# Allegro board 038NC-GRIFFI-V9A_16_20260429.brd (continued)
## Nets (continued)
HDVI_975_13-CH39GS: SLOT13.A55 UNK1SH14.1
HDVI_975_13-CH39S: SLOT13.C55 UNK1K14.5
HDVI_976_13-CH40BP: SLOT13.D54
HDVI_976_13-CH40F: SITE1.F19(LSOUT2 / SUSPEND_F) SLOT13.G52 UNK1CS19.1 UNK1K8.6 UNK1SH38.2 UNK1TP_LSOUT2/SUSPEND_F.1
HDVI_976_13-CH40GS: SLOT13.A56 UNK1SH30.2
HDVI_976_13-CH40S: SITE1.S19(LSOUT2 / SUSPEND_S) SLOT13.F54 UNK1TP_LSOUT2/SUSPEND1_S.1
HDVI_977_13-CH41BP: SLOT13.B53
HDVI_977_13-CH41F: SLOT13.F51 SLOT13.F53 UNK3K10.2
HDVI_977_13-CH41GS: SLOT13.A52 SLOT13.A53 UNK3SH9.1
HDVI_977_13-CH41S: SLOT13.C53 SLOT13.E53 UNK3K10.7
HDVI_978_13-CH42BP: SLOT13.D53
HDVI_979_13-CH43BP: SLOT13.C51
HDVI_979_13-CH43F: SITE3.F25(VSYS_F) SLOT13.E51 SLOT13.F49 UNK3CS25.1 UNK3K2.3 UNK3TP_VSYS_F.1
HDVI_979_13-CH43GS: SLOT13.A51 SLOT13.C52 UNK3SH7.2
HDVI_979_13-CH43S: SITE3.S25(VSYS_S) SLOT13.D51 SLOT13.F50 UNK3TP_VSYS_S.1
HDVI_980_13-CH44BP: SLOT13.D50
HDVI_981_13-CH45BP: SLOT13.B50
HDVI_981_13-CH45F: SITE3.F5(LSOUT1 / ILIM1_F) SLOT13.E49 UNK3CS5.2 UNK3K8.3 UNK3SH36.2 UNK3TP_LSOUT1_F.1
HDVI_981_13-CH45GS: SLOT13.B51 UNK3SH32.1
HDVI_981_13-CH45S: SITE3.S5(LSOUT1 / ILIM1_S) SLOT13.D49 UNK3TP_LSOUT1_S.1
HDVI_982_13-CH46BP: SLOT13.B49
HDVI_982_13-CH46F: SLOT13.G48 UNK3K13.4 UNK3TP_NPG/ATB1_F.1
HDVI_982_13-CH46GS: SLOT13.A49 UNK3SH16.1
HDVI_982_13-CH46S: SLOT13.C49 UNK3K13.5 UNK3TP_NPG/ATB1_S.1
HDVI_983_13-CH47BP: SLOT13.D47
HDVI_983_13-CH47F: SLOT13.F47 UNK3K14.4 UNK3TP_NCHG/ATB0_F.1
HDVI_983_13-CH47GS: SLOT13.A48 UNK3SH14.1
HDVI_983_13-CH47S: SLOT13.E47 UNK3K14.5
HDVI_984_13-CH48BP: SLOT13.C45
HDVI_984_13-CH48F: SITE3.F19(LSOUT2 / SUSPEND_F) SLOT13.F45 UNK3CS19.1 UNK3K8.6 UNK3SH38.2 UNK3TP_LSOUT2/SUSPEND_F.1
HDVI_984_13-CH48GS: SLOT13.C48 UNK3SH30.2
HDVI_984_13-CH48S: SITE3.S19(LSOUT2 / SUSPEND_S) SLOT13.D46 UNK3TP_LSOUT2/SUSPEND1_S.1
HDVI_985_13-CH49BP: SLOT13.C47
HDVI_985_13-CH49F: SLOT13.F46 SLOT13.G44 UNK5K10.2
HDVI_985_13-CH49GS: SLOT13.B47 SLOT13.E48 UNK5SH9.1
HDVI_985_13-CH49S: SLOT13.B45 SLOT13.E45 UNK5K10.7
HDVI_986_13-CH50BP: SLOT13.B46
HDVI_987_13-CH51BP: SLOT13.D45
HDVI_987_13-CH51F: SITE5.F25(VSYS_F) SLOT13.F41 SLOT13.F43 UNK5CS25.1 UNK5K2.3 UNK5TP_VSYS_F.1
HDVI_987_13-CH51GS: SLOT13.A45 SLOT13.A47 UNK5SH7.2
HDVI_987_13-CH51S: SITE5.S25(VSYS_S) SLOT13.E43 SLOT13.F42 UNK5TP_VSYS_S.1
HDVI_988_13-CH52BP: SLOT13.D43
HDVI_989_13-CH53BP: SLOT13.D42
HDVI_989_13-CH53F: SITE5.F5(LSOUT1 / ILIM1_F) SLOT13.G40 UNK5CS5.2 UNK5K8.3 UNK5SH36.2 UNK5TP_LSOUT1_F.1
HDVI_989_13-CH53GS: SLOT13.A44 UNK5SH32.1
HDVI_989_13-CH53S: SITE5.S5(LSOUT1 / ILIM1_S) SLOT13.E41 UNK5TP_LSOUT1_S.1
HDVI_990_13-CH54BP: SLOT13.C41
HDVI_990_13-CH54F: SLOT13.F39 UNK5K13.4 UNK5TP_NPG/ATB1_F.1
HDVI_990_13-CH54GS: SLOT13.C44 UNK5SH16.1
HDVI_990_13-CH54S: SLOT13.D41 UNK5K13.5 UNK5TP_NPG/ATB1_S.1
HDVI_991_13-CH55BP: SLOT13.B41
HDVI_991_13-CH55F: SLOT13.F38 UNK5K14.4 UNK5TP_NCHG/ATB0_F.1
HDVI_991_13-CH55GS: SLOT13.E44 UNK5SH14.1
HDVI_991_13-CH55S: SLOT13.B39 UNK5K14.5
HDVI_992_13-CH56BP: SLOT13.C39
HDVI_992_13-CH56F: SITE5.F19(LSOUT2 / SUSPEND_F) SLOT13.E39 UNK5CS19.1 UNK5K8.6 UNK5SH38.2 UNK5TP_LSOUT2/SUSPEND_F.1
HDVI_992_13-CH56GS: SLOT13.C43 UNK5SH30.2
HDVI_992_13-CH56S: SITE5.S19(LSOUT2 / SUSPEND_S) SLOT13.D39 UNK5TP_LSOUT2/SUSPEND1_S.1
HDVI_993_13-CH57BP: SLOT13.A41
HDVI_993_13-CH57F: SLOT13.C40 SLOT13.E40 UNK7K10.2
HDVI_993_13-CH57GS: SLOT13.A43 SLOT13.B43 UNK7SH9.1
HDVI_993_13-CH57S: SLOT13.A39 SLOT13.A40 UNK7K10.7
HDVI_994_13-CH58BP: SLOT13.B42
HDVI_995_13-CH59BP: SLOT13.C36
HDVI_995_13-CH59F: SITE7.F25(VSYS_F) SLOT13.G32 SLOT13.G36 UNK7CS25.1 UNK7K2.3 UNK7TP_VSYS_F.1
HDVI_995_13-CH59GS: SLOT13.B38 SLOT13.D38 UNK7SH7.2
HDVI_995_13-CH59S: SITE7.S25(VSYS_S) SLOT13.E32 SLOT13.E36 UNK7TP_VSYS_S.1
HDVI_996_13-CH60BP: SLOT13.D34
HDVI_997_13-CH61BP: SLOT13.E24
HDVI_997_13-CH61F: SITE7.F5(LSOUT1 / ILIM1_F) SLOT13.E28 UNK7CS5.2 UNK7K8.3 UNK7SH36.2 UNK7TP_LSOUT1_F.1
HDVI_997_13-CH61GS: SLOT13.A36 UNK7SH32.1
HDVI_997_13-CH61S: SITE7.S5(LSOUT1 / ILIM1_S) SLOT13.F26 UNK7TP_LSOUT1_S.1
HDVI_998_13-CH62BP: SLOT13.F18
HDVI_998_13-CH62F: SLOT13.G20 UNK7K13.4 UNK7TP_NPG/ATB1_F.1
HDVI_998_13-CH62GS: SLOT13.B10 UNK7SH16.1
HDVI_998_13-CH62S: SLOT13.E16 UNK7K13.5 UNK7TP_NPG/ATB1_S.1
HDVI_999_13-CH63BP: SLOT13.E12
HDVI_999_13-CH63F: SLOT13.F14 UNK7K14.4 UNK7TP_NCHG/ATB0_F.1
HDVI_999_13-CH63GS: SLOT13.A8 UNK7SH14.1
HDVI_999_13-CH63S: SLOT13.D10 UNK7K14.5
HDVI_1000_13-CH64BP: SLOT13.E8
HDVI_1000_13-CH64F: SITE7.F19(LSOUT2 / SUSPEND_F) SLOT13.G8 UNK7CS19.1 UNK7K8.6 UNK7SH38.2 UNK7TP_LSOUT2/SUSPEND_F.1
HDVI_1000_13-CH64GS: SLOT13.C8 UNK7SH30.2
HDVI_1000_13-CH64S: SITE7.S19(LSOUT2 / SUSPEND_S) SLOT13.F6 UNK7TP_LSOUT2/SUSPEND1_S.1
HDVI_1001_13-CH65BP: SLOT13.B34
HDVI_1001_13-CH65F: SLOT13.F30 SLOT13.F34 UNK13K10.2
HDVI_1001_13-CH65GS: SLOT13.A32 SLOT13.B30 UNK13SH9.1
HDVI_1001_13-CH65S: SLOT13.C28 SLOT13.C32 UNK13K10.7
HDVI_1002_13-CH66BP: SLOT13.D30
HDVI_1003_13-CH67BP: SLOT13.B26
HDVI_1003_13-CH67F: SITE13.F25(VSYS_F) SLOT13.G24 SLOT13.G28 UNK13CS25.1 UNK13K2.3 UNK13TP_VSYS_F.1
HDVI_1003_13-CH67GS: SLOT13.A24 SLOT13.A28 UNK13SH7.2
HDVI_1003_13-CH67S: SITE13.S25(VSYS_S) SLOT13.B22 SLOT13.D26 UNK13TP_VSYS_S.1
HDVI_1004_13-CH68BP: SLOT13.C24
HDVI_1005_13-CH69BP: SLOT13.C20
HDVI_1005_13-CH69F: SITE13.F5(LSOUT1 / ILIM1_F) SLOT13.F22 UNK13CS5.2 UNK13K8.3 UNK13SH36.2 UNK13TP_LSOUT1_F.1
HDVI_1005_13-CH69GS: SLOT13.A20 UNK13SH32.1
HDVI_1005_13-CH69S: SITE13.S5(LSOUT1 / ILIM1_S) SLOT13.D22 UNK13TP_LSOUT1_S.1
HDVI_1006_13-CH70BP: SLOT13.D18
HDVI_1006_13-CH70F: SLOT13.G16 UNK13K13.4 UNK13TP_NPG/ATB1_F.1
HDVI_1006_13-CH70GS: SLOT13.B18 UNK13SH16.1
HDVI_1006_13-CH70S: SLOT13.E20 UNK13K13.5 UNK13TP_NPG/ATB1_S.1
HDVI_1007_13-CH71BP: SLOT13.C16
HDVI_1007_13-CH71F: SLOT13.G12 UNK13K14.4 UNK13TP_NCHG/ATB0_F.1
HDVI_1007_13-CH71GS: SLOT13.A16 UNK13SH14.1
HDVI_1007_13-CH71S: SLOT13.B14 UNK13K14.5
HDVI_1008_13-CH72BP: SLOT13.C12
HDVI_1008_13-CH72F: SITE13.F19(LSOUT2 / SUSPEND_F) SLOT13.F10 UNK13CS19.1 UNK13K8.6 UNK13SH38.2 UNK13TP_LSOUT2/SUSPEND_F.1
HDVI_1008_13-CH72GS: SLOT13.A12 UNK13SH30.2
HDVI_1008_13-CH72S: SITE13.S19(LSOUT2 / SUSPEND_S) SLOT13.D14 UNK13TP_LSOUT2/SUSPEND1_S.1
HV_AUTHZD_N: SLOT0.B37
LB_PRESENT_N: SLOT0.D41 UNK0BS2.1
LB_REG_ADDR0: SLOT0.A18
LB_REG_ADDR1: SLOT0.B18
LB_REG_ADDR2: SLOT0.C18
LB_REG_ADDR3: SLOT0.D18
LB_REG_ADDR4: SLOT0.D20
LB_REG_ADDR5: SLOT0.E20
LB_REG_ADDR6: SLOT0.F20
LB_REG_ADDR7: SLOT0.G20
LB_REG_DATA0: SLOT0.B20
LB_REG_DATA1: SLOT0.C20
LB_REG_DATA2: SLOT0.A22
LB_REG_DATA3: SLOT0.B22
LB_REG_DATA4: SLOT0.C22
LB_REG_DATA5: SLOT0.D22
LB_REG_DATA6: SLOT0.E22
LB_REG_DATA7: SLOT0.F22
LB_REG_RD_N: SLOT0.D16
LB_REG_WR_N: SLOT0.C16
REG1_P3V3: C84.1 C85.1 C86.1 C87.1 C88.1 C89.1 C90.1 C103.1 R7.1 R8.1 R9.1 R10.1 REG1_P3V3.1(TP) U4.12(VDD) U44.5(VOUT)
REG1_P_5V: C101.1 R383.1 REG1_P_5V.1(TP) U47.2(OUT) U47.4(TAB)
RFNH1_CPE_CPLD_CLK: SLOT0.A51
RFNH1_CPE_CPLD_CS: SLOT0.A59
RFNH1_CPE_CPLD_DAT_IN: SLOT0.A55
RFNH1_CPE_CPLD_DAT_OUT: SLOT0.A49
RFNH2_CPE_CPLD_CLK: SLOT0.F53
RFNH2_CPE_CPLD_CS: SLOT0.F61
RFNH2_CPE_CPLD_DAT_IN: SLOT0.F57
RFNH2_CPE_CPLD_DAT_OUT: SLOT0.F49
RLY_5V: BC5.1 BC6.1 RLY_5V1.1(A) SLOT0.A6 SLOT0.B6 SLOT0.C6 SLOT0.D6 SLOT0.E6 T_RLY_5V.1(TP)
S1_AVSS_GS: UNK1R13.2 UNK1R14.2 UNK1RS1.1 UNK1RS2.1 UNK1RS5.1
S1_AVSS_S[01]: SITE1.S3(AVSS_S[01]) UNK1RS1.2 UNK1RS3.2
S1_EPAD2: SITE1.EPAD2(AVSS[02]) SITE1.G6 UNK1RS5.2
S1_NCHG / ATB0_F: SITE1.F26(NCHG / ATB0_F) UNK1CS26.2 UNK1K14.3
S1_NCHG / ATB0_S: SITE1.S26(NCHG / ATB0_S) UNK1K14.6 UNK1TP_NCHG/ATB0_S.1
S1_NPG / ATB1_F: SITE1.F27(NPG / ATB1_F) UNK1CS27.2 UNK1K13.3
S1_NPG / ATB1_S: SITE1.S27(NPG / ATB1_S) UNK1K13.6
S1_NTC: SITE1.F7(NTC_F) SITE1.S7(NTC_S) UNK1K4.3 UNK1TP_NTC.1
S1_NTC_K4K: UNK1K4.2 UNK1K5.3 UNK1K6.3 UNK1K7.3
S1_SCL: SITE1.F15(SCL_F) SITE1.S15(SCL_S) UNK1K9.6 UNK1SH40.2 UNK1TP_SCL.1
S1_SCL_K9R: UNK1K9.5 UNK1R7.2
S1_SDA: SITE1.F14(SDA_F) SITE1.S14(SDA_S) UNK1K9.3 UNK1SH41.2 UNK1TP_SDA.1
S1_SDA_K9R: UNK1K9.4 UNK1R8.2
S1_VBAT_F: SITE1.F1(VBAT_F) UNK1CS1.1 UNK1K10.3 UNK1K11.3 UNK1K12.3 UNK1TP_VBAT_F.1
S1_VBAT_K11C: UNK1C6.1 UNK1K11.4
S1_VBAT_K12: UNK1C9.1 UNK1K12.4 UNK1TP_REF_5V.1 UNK1U1.6
S1_VBAT_S: SITE1.S1(VBAT_S) UNK1K10.6 UNK1K12.6 UNK1TP_VBAT_S.1
S1_VBUS_CK: UNK1C2.2 UNK1K1.3
S1_VSET: SITE1.F8(VSET_F) SITE1.S8(VSET_S) UNK1K3.3 UNK1TP_VEST.1
S1_VSET_K3R: UNK1K3.2 UNK1R1.2
S2_AVSS_GS: UNK2R13.2 UNK2R14.2 UNK2RS1.1 UNK2RS2.1 UNK2RS5.1
S2_AVSS_S[01]: SITE2.S3(AVSS_S[01]) UNK2RS1.2 UNK2RS3.2
S2_EPAD2: SITE2.EPAD2(AVSS[02]) SITE2.G6 UNK2RS5.2
S2_NCHG / ATB0_F: SITE2.F26(NCHG / ATB0_F) UNK2CS26.2 UNK2K14.3
S2_NCHG / ATB0_S: SITE2.S26(NCHG / ATB0_S) UNK2K14.6 UNK2TP_NCHG/ATB0_S.1
S2_NPG / ATB1_F: SITE2.F27(NPG / ATB1_F) UNK2CS27.2 UNK2K13.3
S2_NPG / ATB1_S: SITE2.S27(NPG / ATB1_S) UNK2K13.6
S2_NTC: SITE2.F7(NTC_F) SITE2.S7(NTC_S) UNK2K4.3 UNK2TP_NTC.1
S2_NTC_K4K: UNK2K4.2 UNK2K5.3 UNK2K6.3 UNK2K7.3
S2_SCL: SITE2.F15(SCL_F) SITE2.S15(SCL_S) UNK2K9.6 UNK2SH40.2 UNK2TP_SCL.1
S2_SCL_K9R: UNK2K9.5 UNK2R7.2
S2_SDA: SITE2.F14(SDA_F) SITE2.S14(SDA_S) UNK2K9.3 UNK2SH41.2 UNK2TP_SDA.1
S2_SDA_K9R: UNK2K9.4 UNK2R8.2
S2_VBAT_F: SITE2.F1(VBAT_F) UNK2CS1.1 UNK2K10.3 UNK2K11.3 UNK2K12.3 UNK2TP_VBAT_F.1
S2_VBAT_K11C: UNK2C6.1 UNK2K11.4
S2_VBAT_K12: UNK2C9.1 UNK2K12.4 UNK2TP_REF_5V.1 UNK2U1.6
S2_VBAT_S: SITE2.S1(VBAT_S) UNK2K10.6 UNK2K12.6 UNK2TP_VBAT_S.1
S2_VBUS_CK: UNK2C2.2 UNK2K1.3
S2_VSET: SITE2.F8(VSET_F) SITE2.S8(VSET_S) UNK2K3.3 UNK2TP_VEST.1
S2_VSET_K3R: UNK2K3.2 UNK2R1.2
S3_AVSS_GS: UNK3R13.2 UNK3R14.2 UNK3RS1.1 UNK3RS2.1 UNK3RS5.1
S3_AVSS_S[01]: SITE3.S3(AVSS_S[01]) UNK3RS1.2 UNK3RS3.2
S3_EPAD2: SITE3.EPAD2(AVSS[02]) SITE3.G6 UNK3RS5.2
S3_NCHG / ATB0_F: SITE3.F26(NCHG / ATB0_F) UNK3CS26.2 UNK3K14.3
S3_NCHG / ATB0_S: SITE3.S26(NCHG / ATB0_S) UNK3K14.6 UNK3TP_NCHG/ATB0_S.1
S3_NPG / ATB1_F: SITE3.F27(NPG / ATB1_F) UNK3CS27.2 UNK3K13.3
S3_NPG / ATB1_S: SITE3.S27(NPG / ATB1_S) UNK3K13.6
S3_NTC: SITE3.F7(NTC_F) SITE3.S7(NTC_S) UNK3K4.3 UNK3TP_NTC.1
S3_NTC_K4K: UNK3K4.2 UNK3K5.3 UNK3K6.3 UNK3K7.3
S3_SCL: SITE3.F15(SCL_F) SITE3.S15(SCL_S) UNK3K9.6 UNK3SH40.2 UNK3TP_SCL.1
S3_SCL_K9R: UNK3K9.5 UNK3R7.2
S3_SDA: SITE3.F14(SDA_F) SITE3.S14(SDA_S) UNK3K9.3 UNK3SH41.2 UNK3TP_SDA.1
S3_SDA_K9R: UNK3K9.4 UNK3R8.2
S3_VBAT_F: SITE3.F1(VBAT_F) UNK3CS1.1 UNK3K10.3 UNK3K11.3 UNK3K12.3 UNK3TP_VBAT_F.1
S3_VBAT_K11C: UNK3C6.1 UNK3K11.4
S3_VBAT_K12: UNK3C9.1 UNK3K12.4 UNK3TP_REF_5V.1 UNK3U1.6
S3_VBAT_S: SITE3.S1(VBAT_S) UNK3K10.6 UNK3K12.6 UNK3TP_VBAT_S.1
S3_VBUS_CK: UNK3C2.2 UNK3K1.3
S3_VSET: SITE3.F8(VSET_F) SITE3.S8(VSET_S) UNK3K3.3 UNK3TP_VEST.1
S3_VSET_K3R: UNK3K3.2 UNK3R1.2
S4_AVSS_GS: UNK4R13.2 UNK4R14.2 UNK4RS1.1 UNK4RS2.1 UNK4RS5.1
S4_AVSS_S[01]: SITE4.S3(AVSS_S[01]) UNK4RS1.2 UNK4RS3.2
S4_EPAD2: SITE4.EPAD2(AVSS[02]) SITE4.G6 UNK4RS5.2
S4_NCHG / ATB0_F: SITE4.F26(NCHG / ATB0_F) UNK4CS26.2 UNK4K14.3
S4_NCHG / ATB0_S: SITE4.S26(NCHG / ATB0_S) UNK4K14.6 UNK4TP_NCHG/ATB0_S.1
S4_NPG / ATB1_F: SITE4.F27(NPG / ATB1_F) UNK4CS27.2 UNK4K13.3
S4_NPG / ATB1_S: SITE4.S27(NPG / ATB1_S) UNK4K13.6
S4_NTC: SITE4.F7(NTC_F) SITE4.S7(NTC_S) UNK4K4.3 UNK4TP_NTC.1
S4_NTC_K4K: UNK4K4.2 UNK4K5.3 UNK4K6.3 UNK4K7.3
S4_SCL: SITE4.F15(SCL_F) SITE4.S15(SCL_S) UNK4K9.6 UNK4SH40.2 UNK4TP_SCL.1
S4_SCL_K9R: UNK4K9.5 UNK4R7.2
S4_SDA: SITE4.F14(SDA_F) SITE4.S14(SDA_S) UNK4K9.3 UNK4SH41.2 UNK4TP_SDA.1
S4_SDA_K9R: UNK4K9.4 UNK4R8.2
S4_VBAT_F: SITE4.F1(VBAT_F) UNK4CS1.1 UNK4K10.3 UNK4K11.3 UNK4K12.3 UNK4TP_VBAT_F.1
S4_VBAT_K11C: UNK4C6.1 UNK4K11.4
S4_VBAT_K12: UNK4C9.1 UNK4K12.4 UNK4TP_REF_5V.1 UNK4U1.6
S4_VBAT_S: SITE4.S1(VBAT_S) UNK4K10.6 UNK4K12.6 UNK4TP_VBAT_S.1
S4_VBUS_CK: UNK4C2.2 UNK4K1.3
S4_VSET: SITE4.F8(VSET_F) SITE4.S8(VSET_S) UNK4K3.3 UNK4TP_VEST.1
S4_VSET_K3R: UNK4K3.2 UNK4R1.2
S5_AVSS_GS: UNK5R13.2 UNK5R14.2 UNK5RS1.1 UNK5RS2.1 UNK5RS5.1
S5_AVSS_S[01]: SITE5.S3(AVSS_S[01]) UNK5RS1.2 UNK5RS3.2
S5_EPAD2: SITE5.EPAD2(AVSS[02]) SITE5.G6 UNK5RS5.2
S5_NCHG / ATB0_F: SITE5.F26(NCHG / ATB0_F) UNK5CS26.2 UNK5K14.3
S5_NCHG / ATB0_S: SITE5.S26(NCHG / ATB0_S) UNK5K14.6 UNK5TP_NCHG/ATB0_S.1
S5_NPG / ATB1_F: SITE5.F27(NPG / ATB1_F) UNK5CS27.2 UNK5K13.3
S5_NPG / ATB1_S: SITE5.S27(NPG / ATB1_S) UNK5K13.6
S5_NTC: SITE5.F7(NTC_F) SITE5.S7(NTC_S) UNK5K4.3 UNK5TP_NTC.1
S5_NTC_K4K: UNK5K4.2 UNK5K5.3 UNK5K6.3 UNK5K7.3
S5_SCL: SITE5.F15(SCL_F) SITE5.S15(SCL_S) UNK5K9.6 UNK5SH40.2 UNK5TP_SCL.1
S5_SCL_K9R: UNK5K9.5 UNK5R7.2
S5_SDA: SITE5.F14(SDA_F) SITE5.S14(SDA_S) UNK5K9.3 UNK5SH41.2 UNK5TP_SDA.1
S5_SDA_K9R: UNK5K9.4 UNK5R8.2
S5_VBAT_F: SITE5.F1(VBAT_F) UNK5CS1.1 UNK5K10.3 UNK5K11.3 UNK5K12.3 UNK5TP_VBAT_F.1
S5_VBAT_K11C: UNK5C6.1 UNK5K11.4
S5_VBAT_K12: UNK5C9.1 UNK5K12.4 UNK5TP_REF_5V.1 UNK5U1.6
S5_VBAT_S: SITE5.S1(VBAT_S) UNK5K10.6 UNK5K12.6 UNK5TP_VBAT_S.1
S5_VBUS_CK: UNK5C2.2 UNK5K1.3
S5_VSET: SITE5.F8(VSET_F) SITE5.S8(VSET_S) UNK5K3.3 UNK5TP_VEST.1
S5_VSET_K3R: UNK5K3.2 UNK5R1.2
S6_AVSS_GS: UNK6R13.2 UNK6R14.2 UNK6RS1.1 UNK6RS2.1 UNK6RS5.1
S6_AVSS_S[01]: SITE6.S3(AVSS_S[01]) UNK6RS1.2 UNK6RS3.2
S6_EPAD2: SITE6.EPAD2(AVSS[02]) SITE6.G6 UNK6RS5.2
S6_NCHG / ATB0_F: SITE6.F26(NCHG / ATB0_F) UNK6CS26.2 UNK6K14.3
S6_NCHG / ATB0_S: SITE6.S26(NCHG / ATB0_S) UNK6K14.6 UNK6TP_NCHG/ATB0_S.1
S6_NPG / ATB1_F: SITE6.F27(NPG / ATB1_F) UNK6CS27.2 UNK6K13.3
S6_NPG / ATB1_S: SITE6.S27(NPG / ATB1_S) UNK6K13.6
S6_NTC: SITE6.F7(NTC_F) SITE6.S7(NTC_S) UNK6K4.3 UNK6TP_NTC.1
S6_NTC_K4K: UNK6K4.2 UNK6K5.3 UNK6K6.3 UNK6K7.3
S6_SCL: SITE6.F15(SCL_F) SITE6.S15(SCL_S) UNK6K9.6 UNK6SH40.2 UNK6TP_SCL.1
S6_SCL_K9R: UNK6K9.5 UNK6R7.2
S6_SDA: SITE6.F14(SDA_F) SITE6.S14(SDA_S) UNK6K9.3 UNK6SH41.2 UNK6TP_SDA.1
S6_SDA_K9R: UNK6K9.4 UNK6R8.2
S6_VBAT_F: SITE6.F1(VBAT_F) UNK6CS1.1 UNK6K10.3 UNK6K11.3 UNK6K12.3 UNK6TP_VBAT_F.1
S6_VBAT_K11C: UNK6C6.1 UNK6K11.4
S6_VBAT_K12: UNK6C9.1 UNK6K12.4 UNK6TP_REF_5V.1 UNK6U1.6
S6_VBAT_S: SITE6.S1(VBAT_S) UNK6K10.6 UNK6K12.6 UNK6TP_VBAT_S.1
S6_VBUS_CK: UNK6C2.2 UNK6K1.3
S6_VSET: SITE6.F8(VSET_F) SITE6.S8(VSET_S) UNK6K3.3 UNK6TP_VEST.1
S6_VSET_K3R: UNK6K3.2 UNK6R1.2
S7_AVSS_GS: UNK7R13.2 UNK7R14.2 UNK7RS1.1 UNK7RS2.1 UNK7RS5.1
S7_AVSS_S[01]: SITE7.S3(AVSS_S[01]) UNK7RS1.2 UNK7RS3.2
S7_EPAD2: SITE7.EPAD2(AVSS[02]) SITE7.G6 UNK7RS5.2
S7_NCHG / ATB0_F: SITE7.F26(NCHG / ATB0_F) UNK7CS26.2 UNK7K14.3
S7_NCHG / ATB0_S: SITE7.S26(NCHG / ATB0_S) UNK7K14.6 UNK7TP_NCHG/ATB0_S.1
S7_NPG / ATB1_F: SITE7.F27(NPG / ATB1_F) UNK7CS27.2 UNK7K13.3
S7_NPG / ATB1_S: SITE7.S27(NPG / ATB1_S) UNK7K13.6
S7_NTC: SITE7.F7(NTC_F) SITE7.S7(NTC_S) UNK7K4.3 UNK7TP_NTC.1
S7_NTC_K4K: UNK7K4.2 UNK7K5.3 UNK7K6.3 UNK7K7.3
S7_SCL: SITE7.F15(SCL_F) SITE7.S15(SCL_S) UNK7K9.6 UNK7SH40.2 UNK7TP_SCL.1
S7_SCL_K9R: UNK7K9.5 UNK7R7.2
S7_SDA: SITE7.F14(SDA_F) SITE7.S14(SDA_S) UNK7K9.3 UNK7SH41.2 UNK7TP_SDA.1
S7_SDA_K9R: UNK7K9.4 UNK7R8.2
S7_VBAT_F: SITE7.F1(VBAT_F) UNK7CS1.1 UNK7K10.3 UNK7K11.3 UNK7K12.3 UNK7TP_VBAT_F.1
S7_VBAT_K11C: UNK7C6.1 UNK7K11.4
S7_VBAT_K12: UNK7C9.1 UNK7K12.4 UNK7TP_REF_5V.1 UNK7U1.6
S7_VBAT_S: SITE7.S1(VBAT_S) UNK7K10.6 UNK7K12.6 UNK7TP_VBAT_S.1
S7_VBUS_CK: UNK7C2.2 UNK7K1.3
S7_VSET: SITE7.F8(VSET_F) SITE7.S8(VSET_S) UNK7K3.3 UNK7TP_VEST.1
S7_VSET_K3R: UNK7K3.2 UNK7R1.2
S8_AVSS_GS: UNK8R13.2 UNK8R14.2 UNK8RS1.1 UNK8RS2.1 UNK8RS5.1
S8_AVSS_S[01]: SITE8.S3(AVSS_S[01]) UNK8RS1.2 UNK8RS3.2
S8_EPAD2: SITE8.EPAD2(AVSS[02]) SITE8.G6 UNK8RS5.2
S8_NCHG / ATB0_F: SITE8.F26(NCHG / ATB0_F) UNK8CS26.2 UNK8K14.3
S8_NCHG / ATB0_S: SITE8.S26(NCHG / ATB0_S) UNK8K14.6 UNK8TP_NCHG/ATB0_S.1
S8_NPG / ATB1_F: SITE8.F27(NPG / ATB1_F) UNK8CS27.2 UNK8K13.3
S8_NPG / ATB1_S: SITE8.S27(NPG / ATB1_S) UNK8K13.6
S8_NTC: SITE8.F7(NTC_F) SITE8.S7(NTC_S) UNK8K4.3 UNK8TP_NTC.1
S8_NTC_K4K: UNK8K4.2 UNK8K5.3 UNK8K6.3 UNK8K7.3
S8_SCL: SITE8.F15(SCL_F) SITE8.S15(SCL_S) UNK8K9.6 UNK8SH40.2 UNK8TP_SCL.1
S8_SCL_K9R: UNK8K9.5 UNK8R7.2
S8_SDA: SITE8.F14(SDA_F) SITE8.S14(SDA_S) UNK8K9.3 UNK8SH41.2 UNK8TP_SDA.1
S8_SDA_K9R: UNK8K9.4 UNK8R8.2
S8_VBAT_F: SITE8.F1(VBAT_F) UNK8CS1.1 UNK8K10.3 UNK8K11.3 UNK8K12.3 UNK8TP_VBAT_F.1
S8_VBAT_K11C: UNK8C6.1 UNK8K11.4
S8_VBAT_K12: UNK8C9.1 UNK8K12.4 UNK8TP_REF_5V.1 UNK8U1.6
S8_VBAT_S: SITE8.S1(VBAT_S) UNK8K10.6 UNK8K12.6 UNK8TP_VBAT_S.1
S8_VBUS_CK: UNK8C2.2 UNK8K1.3
S8_VSET: SITE8.F8(VSET_F) SITE8.S8(VSET_S) UNK8K3.3 UNK8TP_VEST.1
S8_VSET_K3R: UNK8K3.2 UNK8R1.2
S9_AVSS_GS: UNK9R13.2 UNK9R14.2 UNK9RS1.1 UNK9RS2.1 UNK9RS5.1
S9_AVSS_S[01]: SITE9.S3(AVSS_S[01]) UNK9RS1.2 UNK9RS3.2
S9_EPAD2: SITE9.EPAD2(AVSS[02]) SITE9.G6 UNK9RS5.2
S9_NCHG / ATB0_F: SITE9.F26(NCHG / ATB0_F) UNK9CS26.2 UNK9K14.3
S9_NCHG / ATB0_S: SITE9.S26(NCHG / ATB0_S) UNK9K14.6 UNK9TP_NCHG/ATB0_S.1
S9_NPG / ATB1_F: SITE9.F27(NPG / ATB1_F) UNK9CS27.2 UNK9K13.3
S9_NPG / ATB1_S: SITE9.S27(NPG / ATB1_S) UNK9K13.6
S9_NTC: SITE9.F7(NTC_F) SITE9.S7(NTC_S) UNK9K4.3 UNK9TP_NTC.1
S9_NTC_K4K: UNK9K4.2 UNK9K5.3 UNK9K6.3 UNK9K7.3
S9_SCL: SITE9.F15(SCL_F) SITE9.S15(SCL_S) UNK9K9.6 UNK9SH40.2 UNK9TP_SCL.1
S9_SCL_K9R: UNK9K9.5 UNK9R7.2
S9_SDA: SITE9.F14(SDA_F) SITE9.S14(SDA_S) UNK9K9.3 UNK9SH41.2 UNK9TP_SDA.1
S9_SDA_K9R: UNK9K9.4 UNK9R8.2
S9_VBAT_F: SITE9.F1(VBAT_F) UNK9CS1.1 UNK9K10.3 UNK9K11.3 UNK9K12.3 UNK9TP_VBAT_F.1
S9_VBAT_K11C: UNK9C6.1 UNK9K11.4
S9_VBAT_K12: UNK9C9.1 UNK9K12.4 UNK9TP_REF_5V.1 UNK9U1.6
S9_VBAT_S: SITE9.S1(VBAT_S) UNK9K10.6 UNK9K12.6 UNK9TP_VBAT_S.1
S9_VBUS_CK: UNK9C2.2 UNK9K1.3
S9_VSET: SITE9.F8(VSET_F) SITE9.S8(VSET_S) UNK9K3.3 UNK9TP_VEST.1
S9_VSET_K3R: UNK9K3.2 UNK9R1.2
S10_AVSS_GS: UNK10R13.2 UNK10R14.2 UNK10RS1.1 UNK10RS2.1 UNK10RS5.1
S10_AVSS_S[01]: SITE10.S3(AVSS_S[01]) UNK10RS1.2 UNK10RS3.2
S10_EPAD2: SITE10.EPAD2(AVSS[02]) SITE10.G6 UNK10RS5.2
S10_NCHG / ATB0_F: SITE10.F26(NCHG / ATB0_F) UNK10CS26.2 UNK10K14.3
S10_NCHG / ATB0_S: SITE10.S26(NCHG / ATB0_S) UNK10K14.6 UNK10TP_NCHG/ATB0_S.1
S10_NPG / ATB1_F: SITE10.F27(NPG / ATB1_F) UNK10CS27.2 UNK10K13.3
S10_NPG / ATB1_S: SITE10.S27(NPG / ATB1_S) UNK10K13.6
S10_NTC: SITE10.F7(NTC_F) SITE10.S7(NTC_S) UNK10K4.3 UNK10TP_NTC.1
S10_NTC_K4K: UNK10K4.2 UNK10K5.3 UNK10K6.3 UNK10K7.3
S10_SCL: SITE10.F15(SCL_F) SITE10.S15(SCL_S) UNK10K9.6 UNK10SH40.2 UNK10TP_SCL.1
S10_SCL_K9R: UNK10K9.5 UNK10R7.2
S10_SDA: SITE10.F14(SDA_F) SITE10.S14(SDA_S) UNK10K9.3 UNK10SH41.2 UNK10TP_SDA.1
S10_SDA_K9R: UNK10K9.4 UNK10R8.2
S10_VBAT_F: SITE10.F1(VBAT_F) UNK10CS1.1 UNK10K10.3 UNK10K11.3 UNK10K12.3 UNK10TP_VBAT_F.1
S10_VBAT_K11C: UNK10C6.1 UNK10K11.4
S10_VBAT_K12: UNK10C9.1 UNK10K12.4 UNK10TP_REF_5V.1 UNK10U1.6
S10_VBAT_S: SITE10.S1(VBAT_S) UNK10K10.6 UNK10K12.6 UNK10TP_VBAT_S.1
S10_VBUS_CK: UNK10C2.2 UNK10K1.3
S10_VSET: SITE10.F8(VSET_F) SITE10.S8(VSET_S) UNK10K3.3 UNK10TP_VEST.1
S10_VSET_K3R: UNK10K3.2 UNK10R1.2
S11_AVSS_GS: UNK11R13.2 UNK11R14.2 UNK11RS1.1 UNK11RS2.1 UNK11RS5.1
S11_AVSS_S[01]: SITE11.S3(AVSS_S[01]) UNK11RS1.2 UNK11RS3.2
S11_EPAD2: SITE11.EPAD2(AVSS[02]) SITE11.G6 UNK11RS5.2
S11_NCHG / ATB0_F: SITE11.F26(NCHG / ATB0_F) UNK11CS26.2 UNK11K14.3
S11_NCHG / ATB0_S: SITE11.S26(NCHG / ATB0_S) UNK11K14.6 UNK11TP_NCHG/ATB0_S.1
S11_NPG / ATB1_F: SITE11.F27(NPG / ATB1_F) UNK11CS27.2 UNK11K13.3
S11_NPG / ATB1_S: SITE11.S27(NPG / ATB1_S) UNK11K13.6
S11_NTC: SITE11.F7(NTC_F) SITE11.S7(NTC_S) UNK11K4.3 UNK11TP_NTC.1
S11_NTC_K4K: UNK11K4.2 UNK11K5.3 UNK11K6.3 UNK11K7.3
S11_SCL: SITE11.F15(SCL_F) SITE11.S15(SCL_S) UNK11K9.6 UNK11SH40.2 UNK11TP_SCL.1
S11_SCL_K9R: UNK11K9.5 UNK11R7.2
S11_SDA: SITE11.F14(SDA_F) SITE11.S14(SDA_S) UNK11K9.3 UNK11SH41.2 UNK11TP_SDA.1
S11_SDA_K9R: UNK11K9.4 UNK11R8.2
S11_VBAT_F: SITE11.F1(VBAT_F) UNK11CS1.1 UNK11K10.3 UNK11K11.3 UNK11K12.3 UNK11TP_VBAT_F.1
S11_VBAT_K11C: UNK11C6.1 UNK11K11.4
S11_VBAT_K12: UNK11C9.1 UNK11K12.4 UNK11TP_REF_5V.1 UNK11U1.6
S11_VBAT_S: SITE11.S1(VBAT_S) UNK11K10.6 UNK11K12.6 UNK11TP_VBAT_S.1
S11_VBUS_CK: UNK11C2.2 UNK11K1.3
S11_VSET: SITE11.F8(VSET_F) SITE11.S8(VSET_S) UNK11K3.3 UNK11TP_VEST.1
S11_VSET_K3R: UNK11K3.2 UNK11R1.2
S12_AVSS_GS: UNK12R13.2 UNK12R14.2 UNK12RS1.1 UNK12RS2.1 UNK12RS5.1
S12_AVSS_S[01]: SITE12.S3(AVSS_S[01]) UNK12RS1.2 UNK12RS3.2
S12_EPAD2: SITE12.EPAD2(AVSS[02]) SITE12.G6 UNK12RS5.2
S12_NCHG / ATB0_F: SITE12.F26(NCHG / ATB0_F) UNK12CS26.2 UNK12K14.3
S12_NCHG / ATB0_S: SITE12.S26(NCHG / ATB0_S) UNK12K14.6 UNK12TP_NCHG/ATB0_S.1
S12_NPG / ATB1_F: SITE12.F27(NPG / ATB1_F) UNK12CS27.2 UNK12K13.3
S12_NPG / ATB1_S: SITE12.S27(NPG / ATB1_S) UNK12K13.6
S12_NTC: SITE12.F7(NTC_F) SITE12.S7(NTC_S) UNK12K4.3 UNK12TP_NTC.1
S12_NTC_K4K: UNK12K4.2 UNK12K5.3 UNK12K6.3 UNK12K7.3
S12_SCL: SITE12.F15(SCL_F) SITE12.S15(SCL_S) UNK12K9.6 UNK12SH40.2 UNK12TP_SCL.1
S12_SCL_K9R: UNK12K9.5 UNK12R7.2
S12_SDA: SITE12.F14(SDA_F) SITE12.S14(SDA_S) UNK12K9.3 UNK12SH41.2 UNK12TP_SDA.1
S12_SDA_K9R: UNK12K9.4 UNK12R8.2
S12_VBAT_F: SITE12.F1(VBAT_F) UNK12CS1.1 UNK12K10.3 UNK12K11.3 UNK12K12.3 UNK12TP_VBAT_F.1
S12_VBAT_K11C: UNK12C6.1 UNK12K11.4
S12_VBAT_K12: UNK12C9.1 UNK12K12.4 UNK12TP_REF_5V.1 UNK12U1.6
S12_VBAT_S: SITE12.S1(VBAT_S) UNK12K10.6 UNK12K12.6 UNK12TP_VBAT_S.1
S12_VBUS_CK: UNK12C2.2 UNK12K1.3
S12_VSET: SITE12.F8(VSET_F) SITE12.S8(VSET_S) UNK12K3.3 UNK12TP_VEST.1
S12_VSET_K3R: UNK12K3.2 UNK12R1.2
S13_AVSS_GS: UNK13R13.2 UNK13R14.2 UNK13RS1.1 UNK13RS2.1 UNK13RS5.1
S13_AVSS_S[01]: SITE13.S3(AVSS_S[01]) UNK13RS1.2 UNK13RS3.2
S13_EPAD2: SITE13.EPAD2(AVSS[02]) SITE13.G6 UNK13RS5.2
S13_NCHG / ATB0_F: SITE13.F26(NCHG / ATB0_F) UNK13CS26.2 UNK13K14.3
S13_NCHG / ATB0_S: SITE13.S26(NCHG / ATB0_S) UNK13K14.6 UNK13TP_NCHG/ATB0_S.1
S13_NPG / ATB1_F: SITE13.F27(NPG / ATB1_F) UNK13CS27.2 UNK13K13.3
S13_NPG / ATB1_S: SITE13.S27(NPG / ATB1_S) UNK13K13.6
S13_NTC: SITE13.F7(NTC_F) SITE13.S7(NTC_S) UNK13K4.3 UNK13TP_NTC.1
S13_NTC_K4K: UNK13K4.2 UNK13K5.3 UNK13K6.3 UNK13K7.3
S13_SCL: SITE13.F15(SCL_F) SITE13.S15(SCL_S) UNK13K9.6 UNK13SH40.2 UNK13TP_SCL.1
S13_SCL_K9R: UNK13K9.5 UNK13R7.2
S13_SDA: SITE13.F14(SDA_F) SITE13.S14(SDA_S) UNK13K9.3 UNK13SH41.2 UNK13TP_SDA.1
S13_SDA_K9R: UNK13K9.4 UNK13R8.2
S13_VBAT_F: SITE13.F1(VBAT_F) UNK13CS1.1 UNK13K10.3 UNK13K11.3 UNK13K12.3 UNK13TP_VBAT_F.1
S13_VBAT_K11C: UNK13C6.1 UNK13K11.4
S13_VBAT_K12: UNK13C9.1 UNK13K12.4 UNK13TP_REF_5V.1 UNK13U1.6
S13_VBAT_S: SITE13.S1(VBAT_S) UNK13K10.6 UNK13K12.6 UNK13TP_VBAT_S.1
S13_VBUS_CK: UNK13C2.2 UNK13K1.3
S13_VSET: SITE13.F8(VSET_F) SITE13.S8(VSET_S) UNK13K3.3 UNK13TP_VEST.1
S13_VSET_K3R: UNK13K3.2 UNK13R1.2
S14_AVSS_GS: UNK14R13.2 UNK14R14.2 UNK14RS1.1 UNK14RS2.1 UNK14RS5.1
S14_AVSS_S[01]: SITE14.S3(AVSS_S[01]) UNK14RS1.2 UNK14RS3.2
S14_EPAD2: SITE14.EPAD2(AVSS[02]) SITE14.G6 UNK14RS5.2
S14_NCHG / ATB0_F: SITE14.F26(NCHG / ATB0_F) UNK14CS26.2 UNK14K14.3
S14_NCHG / ATB0_S: SITE14.S26(NCHG / ATB0_S) UNK14K14.6 UNK14TP_NCHG/ATB0_S.1
S14_NPG / ATB1_F: SITE14.F27(NPG / ATB1_F) UNK14CS27.2 UNK14K13.3
S14_NPG / ATB1_S: SITE14.S27(NPG / ATB1_S) UNK14K13.6
S14_NTC: SITE14.F7(NTC_F) SITE14.S7(NTC_S) UNK14K4.3 UNK14TP_NTC.1
S14_NTC_K4K: UNK14K4.2 UNK14K5.3 UNK14K6.3 UNK14K7.3
S14_SCL: SITE14.F15(SCL_F) SITE14.S15(SCL_S) UNK14K9.6 UNK14SH40.2 UNK14TP_SCL.1
S14_SCL_K9R: UNK14K9.5 UNK14R7.2
S14_SDA: SITE14.F14(SDA_F) SITE14.S14(SDA_S) UNK14K9.3 UNK14SH41.2 UNK14TP_SDA.1
S14_SDA_K9R: UNK14K9.4 UNK14R8.2
S14_VBAT_F: SITE14.F1(VBAT_F) UNK14CS1.1 UNK14K10.3 UNK14K11.3 UNK14K12.3 UNK14TP_VBAT_F.1
S14_VBAT_K11C: UNK14C6.1 UNK14K11.4
S14_VBAT_K12: UNK14C9.1 UNK14K12.4 UNK14TP_REF_5V.1 UNK14U1.6
S14_VBAT_S: SITE14.S1(VBAT_S) UNK14K10.6 UNK14K12.6 UNK14TP_VBAT_S.1
S14_VBUS_CK: UNK14C2.2 UNK14K1.3
S14_VSET: SITE14.F8(VSET_F) SITE14.S8(VSET_S) UNK14K3.3 UNK14TP_VEST.1
S14_VSET_K3R: UNK14K3.2 UNK14R1.2
S15_AVSS_GS: UNK15R13.2 UNK15R14.2 UNK15RS1.1 UNK15RS2.1 UNK15RS5.1
S15_AVSS_S[01]: SITE15.S3(AVSS_S[01]) UNK15RS1.2 UNK15RS3.2
S15_EPAD2: SITE15.EPAD2(AVSS[02]) SITE15.G6 UNK15RS5.2
S15_NCHG / ATB0_F: SITE15.F26(NCHG / ATB0_F) UNK15CS26.2 UNK15K14.3
S15_NCHG / ATB0_S: SITE15.S26(NCHG / ATB0_S) UNK15K14.6 UNK15TP_NCHG/ATB0_S.1
S15_NPG / ATB1_F: SITE15.F27(NPG / ATB1_F) UNK15CS27.2 UNK15K13.3
S15_NPG / ATB1_S: SITE15.S27(NPG / ATB1_S) UNK15K13.6
S15_NTC: SITE15.F7(NTC_F) SITE15.S7(NTC_S) UNK15K4.3 UNK15TP_NTC.1
S15_NTC_K4K: UNK15K4.2 UNK15K5.3 UNK15K6.3 UNK15K7.3
S15_SCL: SITE15.F15(SCL_F) SITE15.S15(SCL_S) UNK15K9.6 UNK15SH40.2 UNK15TP_SCL.1
S15_SCL_K9R: UNK15K9.5 UNK15R7.2
S15_SDA: SITE15.F14(SDA_F) SITE15.S14(SDA_S) UNK15K9.3 UNK15SH41.2 UNK15TP_SDA.1
S15_SDA_K9R: UNK15K9.4 UNK15R8.2
S15_VBAT_F: SITE15.F1(VBAT_F) UNK15CS1.1 UNK15K10.3 UNK15K11.3 UNK15K12.3 UNK15TP_VBAT_F.1
S15_VBAT_K11C: UNK15C6.1 UNK15K11.4
S15_VBAT_K12: UNK15C9.1 UNK15K12.4 UNK15TP_REF_5V.1 UNK15U1.6
S15_VBAT_S: SITE15.S1(VBAT_S) UNK15K10.6 UNK15K12.6 UNK15TP_VBAT_S.1
S15_VBUS_CK: UNK15C2.2 UNK15K1.3
S15_VSET: SITE15.F8(VSET_F) SITE15.S8(VSET_S) UNK15K3.3 UNK15TP_VEST.1
S15_VSET_K3R: UNK15K3.2 UNK15R1.2
S16_AVSS_GS: UNK16R13.2 UNK16R14.2 UNK16RS1.1 UNK16RS2.1 UNK16RS5.1
S16_AVSS_S[01]: SITE16.S3(AVSS_S[01]) UNK16RS1.2 UNK16RS3.2
S16_EPAD2: SITE16.EPAD2(AVSS[02]) SITE16.G6 UNK16RS5.2
S16_NCHG / ATB0_F: SITE16.F26(NCHG / ATB0_F) UNK16CS26.2 UNK16K14.3
S16_NCHG / ATB0_S: SITE16.S26(NCHG / ATB0_S) UNK16K14.6 UNK16TP_NCHG/ATB0_S.1
S16_NPG / ATB1_F: SITE16.F27(NPG / ATB1_F) UNK16CS27.2 UNK16K13.3
S16_NPG / ATB1_S: SITE16.S27(NPG / ATB1_S) UNK16K13.6
S16_NTC: SITE16.F7(NTC_F) SITE16.S7(NTC_S) UNK16K4.3 UNK16TP_NTC.1
S16_NTC_K4K: UNK16K4.2 UNK16K5.3 UNK16K6.3 UNK16K7.3
S16_SCL: SITE16.F15(SCL_F) SITE16.S15(SCL_S) UNK16K9.6 UNK16SH40.2 UNK16TP_SCL.1
S16_SCL_K9R: UNK16K9.5 UNK16R7.2
S16_SDA: SITE16.F14(SDA_F) SITE16.S14(SDA_S) UNK16K9.3 UNK16SH41.2 UNK16TP_SDA.1
S16_SDA_K9R: UNK16K9.4 UNK16R8.2
